# Altium PCB dashcam_cpu_v2.0.PcbDoc (part 2 of 4)
Units mil, origin at the board's own origin, x right, y up, seen from the top; angles counter-clockwise.
Board outline 2952.76 x 1476.38 mil, 4 copper layers (Top Layer, Internal L1, Internal L2, Bottom Layer), stack 60.718 mil thick; 574 components, 452 nets, 2535 pads, 0 vias.
Unrouted connection lines stored in the file: 1684.
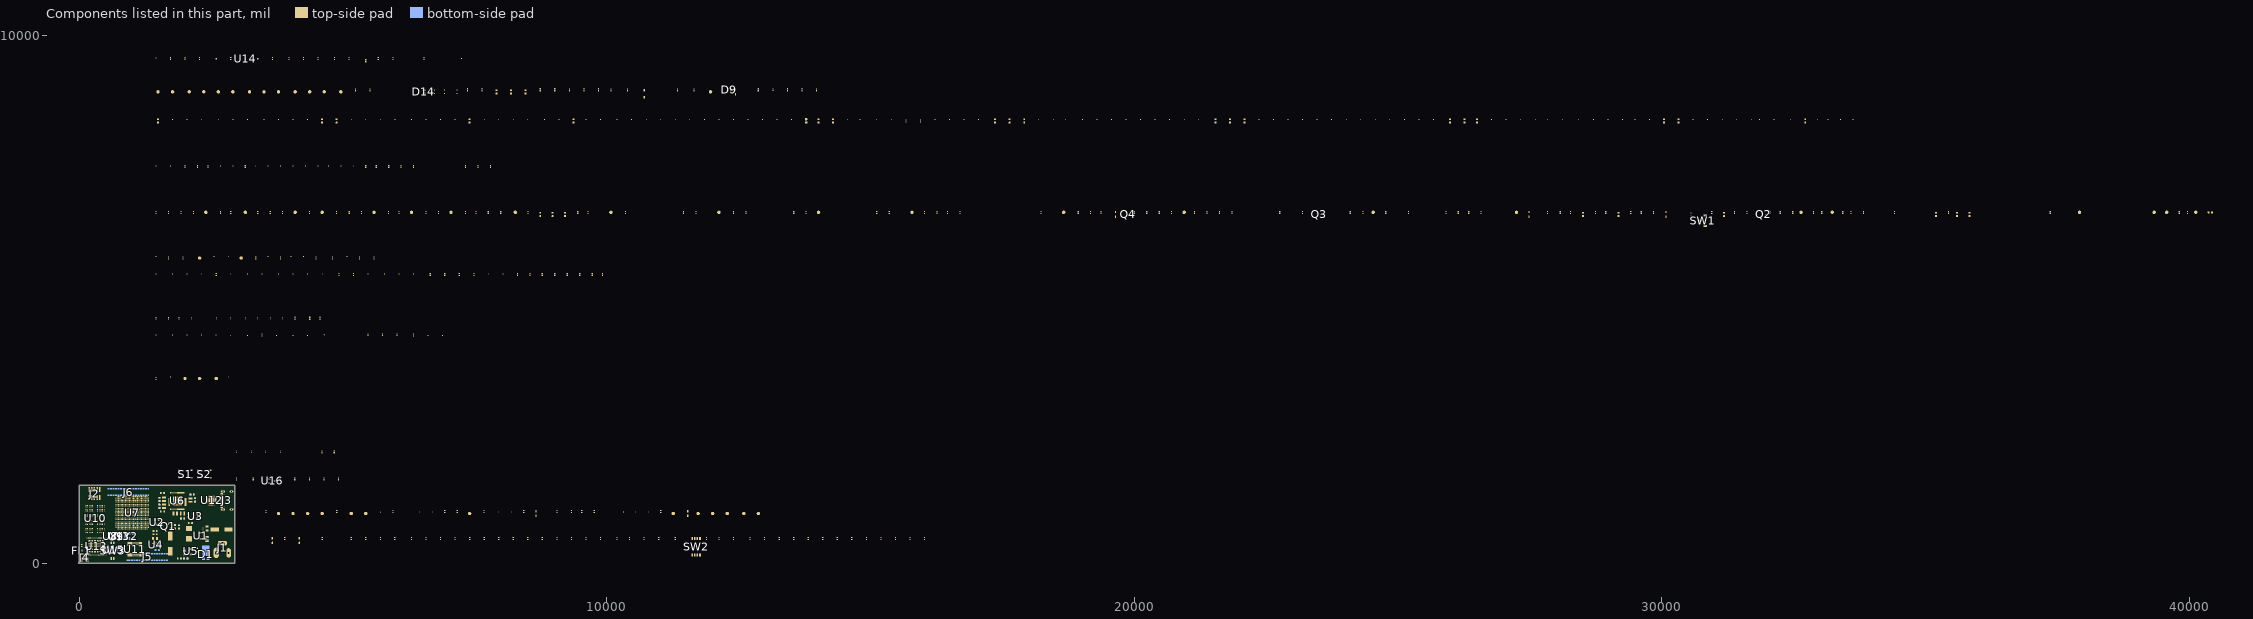
[diagram p2: the components of this part, seen from the top]

## Components (designator, comment, footprint, x,y, rotation, side; value= is the part's Value field where it differs from the comment) (continued)
TP31 "NO COMPONENT" TP_PAD_1.6MM_SMD_ROUND 11259.85,942.92 r90 top
TP32 "NO COMPONENT" TP_PAD_1.6MM_SMD_ROUND 7401.58,942.92 r90 top
TP33 "NO COMPONENT" TP_PAD_1.6MM_SMD_ROUND 5157.49,942.92 r90 top
TP34 "NO COMPONENT" TP_PAD_1.6MM_SMD_ROUND 5433.08,942.92 r90 top
TP35 "NO COMPONENT" TP_PAD_1.6MM_SMD_ROUND 3070.87,5785.44 r90 top
TP36 "NO COMPONENT" TP_PAD_1.6MM_SMD_ROUND 2283.47,5785.44 r90 top
TP37 "NO COMPONENT" TP_PAD_0.5MM_SMD_ROUND 4645.67,4328.75 r90 top
TP38 "NO COMPONENT" TP_PAD_0.5MM_SMD_ROUND 2598.43,4328.75 r90 top
TP39 "NO COMPONENT" TP_PAD_0.5MM_SMD_ROUND 1456.7,4328.75 r90 top
TP40 "NO COMPONENT" TP_PAD_0.5MM_SMD_ROUND 1771.66,4328.75 r90 top
TP41 "NO COMPONENT" TP_PAD_0.5MM_SMD_ROUND 2047.25,4328.75 r90 top
TP42 "NO COMPONENT" TP_PAD_1.6MM_SMD_ROUND 11968.51,8935.05 r90 top
TP43 "NO COMPONENT" TP_PAD_1.6MM_SMD_ROUND 4960.63,8935.05 r90 top
TP44 "NO COMPONENT" TP_PAD_1.6MM_SMD_ROUND 4645.67,8935.05 r90 top
TP45 "NO COMPONENT" TP_PAD_1.6MM_SMD_ROUND 4370.08,8935.05 r90 top
TP46 "NO COMPONENT" TP_PAD_1.6MM_SMD_ROUND 4094.49,8935.05 r90 top
TP47 "NO COMPONENT" TP_PAD_1.6MM_SMD_ROUND 3779.53,8935.05 r90 top
TP48 "NO COMPONENT" TP_PAD_1.6MM_SMD_ROUND 3503.94,8935.05 r90 top
TP49 "NO COMPONENT" TP_PAD_1.6MM_SMD_ROUND 3228.35,8935.05 r90 top
TP50 "NO COMPONENT" TP_PAD_1.6MM_SMD_ROUND 2913.39,8935.05 r90 top
TP51 "NO COMPONENT" TP_PAD_1.6MM_SMD_ROUND 2637.8,8935.05 r90 top
TP52 "NO COMPONENT" TP_PAD_1.6MM_SMD_ROUND 2362.21,8935.05 r90 top
TP53 "NO COMPONENT" TP_PAD_1.6MM_SMD_ROUND 2086.62,8935.05 r90 top
TP54 "NO COMPONENT" TP_PAD_1.6MM_SMD_ROUND 1771.66,8935.05 r90 top
TP55 "NO COMPONENT" TP_PAD_1.6MM_SMD_ROUND 1496.07,8935.05 r90 top
TP56 "NO COMPONENT" TP_PAD_0.5MM_SMD_ROUND 7244.1,9564.97 r90 top
TP57 "NO COMPONENT" TP_PAD_0.8MM_SMD_ROUND 3385.83,9564.97 r90 top
TP58 "NO COMPONENT" TP_PAD_0.8MM_SMD_ROUND 2598.43,9564.97 r90 top
TP59 "NO COMPONENT" TP_PAD_1.6MM_SMD_ROUND 4606.3,942.92 r90 top
TP60 "NO COMPONENT" TP_PAD_1.6MM_SMD_ROUND 4330.71,942.92 r90 top
TP61 "NO COMPONENT" TP_PAD_1.6MM_SMD_ROUND 4055.12,942.92 r90 top
TP62 "NO COMPONENT" TP_PAD_1.6MM_SMD_ROUND 3779.53,942.92 r90 top
U1 "MP8759GD-Z" IC_REG_MP8759GDZ 2310,520 r180 top
U2 "LDCL015MR" IC_REG_SOT95P280X145-5N 1471.5,779.53 r90 top
U3 "UM805RE" IC_SUP_VOL_UM805RE 2200,890 r0 top
U4 "MP2147GD-P" IC_REG_MP2147GDP 1450,352.6 r270 top
U5 "MP2147GD-P" IC_REG_MP2147GDP 2120,220 r0 top
U6 "MC34PF4210A1ES" IC_PMIC_QFN50P800X800X90-57N-D 1862.33,1180.63 r0 top
U7 "MIMX8MD6DVAJZAB" IC_MPU_BGA621C65P25X25_1700X1700X218 1003.94,958.66 r270 top
U8 "UM803RS" IC_SUP_VOL_UM805RS 590,510 r270 bottom
U9 "NTS0104GU12,115" IC_LEVEL_TRASLATOR_XQFN12_0P4_1P8X2P1 700,500 r180 top
U10 "MT53E1G32D2FW-046WT:A" IC_DRAM_BGA200_0P65X0P8_10P1X14P6 302.76,850.75 r0 top
U11 "SDINBDG4-32G-I1" IC_MEMORY_eMMC 1053.15,265.75 r270 top
U12 "CP2105-F01-GM" IC_USB_UART_QFN50P400X400X80-25N-D 2510,1190 r0 top
U13 "LBEE5QD1ZM-572" IC_WIFI_BLE_LBEE5QD1ZM572 325.59,320 r180 top
U14 "LP5907UVX-1.8/NOPB" IC_REG_LDO_BGA4C35P2X2_71X71X40 3149.61,9564.97 r90 top
U15 "SN74LVC2G125DCUT" IC_BUFF_SOP50P310X90-8N 650,260 r0 bottom
U16 "UM803RS" IC_SUP_VOL_UM805RS 3655.99,1561.11 r0 top
Y1 "ASH7KW-32.768kHz-L-T" CRYSTAL_32.768KHZ_ASH7KW32768kHzLT 720,510 r270 bottom
Y2 "ECS-250-18-33-JTM-TR" CRYSTAL_ECS-250-18-33-JTM-TR 988.19,514.72 r90 bottom
Y3 "XC32M4-27.000-F18NLDTK" CRYSTAL_ECS-250-18-33-JTM-TR 840,514.43 r270 bottom

## Footprints (in the part's own frame and the unit in brackets; to place one, negate y for a bottom-side part, rotate by r counter-clockwise, add the part's x,y. Pads: shape width x height; smd on the part's side, far side on the other; paste and mask are expansions set on the pad)
ANTENNA_CHIP_ANTC1006X50N [mm] "1x0.55 mm"
  rrect20% 0.7x0.7 smd: 1(-0.55,0) 2(0.55,0)
  silkscreen extent -1.25,-0.7 0.55,0.7, body extent -0.5,-0.28 0.5,0.28, height 0.5
CAP_0201_CAPC0603X03N [mm] "Chip Capacitor, 2-Leads, Body 0.60x0.30mm, IPC Medium Density"
  rrect20% 0.305x0.305 smd mask+0.076: 1(-0.33,0) 2(0.33,0)
  body extent -0.3,-0.15 0.3,0.15, height 0.3
CAP_0402_CAPC1005X05N [mil] "Chip Capacitor, 2-Leads, Body 1.00x0.50mm, IPC Medium Density"
  rrect20% 20x20 smd: 1(-18.9,0) 2(18.9,0)
  silkscreen extent -4,-15 4,15, body extent -20,-10 20,10, height 20
CAP_0603_CAPC1608X08N [mm] "Chip Capacitor, 2-Leads, Body 1.60x0.80mm, IPC Medium Density"
  rrect20% 0.85x0.95 smd: 1(-0.8,0) 2(0.8,0)
  silkscreen extent -0.1,-0.61 0.1,0.61, body extent -0.8,-0.4 0.8,0.4, height 0.3
CAP_0805_CAPC2012X12N [mm] "Chip Capacitor, 2-Leads, Body 2.00x1.25mm, IPC Medium Density"
  rrect20% 1x1.5 smd: 1(-0.925,0) 2(0.925,0)
  silkscreen extent -0.08,-0.86 0.08,0.86, body extent -1,-0.63 1,0.63, height 0.78
CAP_POL_220uF_CAPAE830X1050N [mm]
  rrect20% 4.25x2.1 smd: 1(-3.65,0) 2(3.65,0)
  silkscreen extent -5.77,-4.15 4.15,4.15, body extent -5.25,-4.25 5.25,4.25, height 10.51
CAP_POLA_UD(8X10) [mm] "UD(8X10)"
  rrect20% 4x2.15 smd: 1(-3.35,0) 2(3.35,0)
  silkscreen extent -5.69,-4.15 4.15,4.15, body extent -4.44,-4.15 4.44,4.15, height 10.06
CONN_B2B_HIROSE_DF40C-100DS-0.4V(51) [mm] "0.016\" (0.40mm)"
  rrect20% 0.2x0.7 smd paste-1: 1(9.8,1.54) 2(9.8,-1.54) 3(9.4,1.54) 4(9.4,-1.54) 5(9,1.54) 6(9,-1.54) 7(8.6,1.54) 8(8.6,-1.54) 9(8.2,1.54) 10(8.2,-1.54) 11(7.8,1.54) 12(7.8,-1.54) 13(7.4,1.54) 14(7.4,-1.54) 15(7,1.54) 16(7,-1.54) 17(6.6,1.54) 18(6.6,-1.54) 19(6.2,1.54) 20(6.2,-1.54) 21(5.8,1.54) 22(5.8,-1.54) 23(5.4,1.54) 24(5.4,-1.54) 25(5,1.54) 26(5,-1.54) 27(4.6,1.54) 28(4.6,-1.54) 29(4.2,1.54) 30(4.2,-1.54) 31(3.8,1.54) 32(3.8,-1.54) 33(3.4,1.54) 34(3.4,-1.54) 35(3,1.54) 36(3,-1.54) 37(2.6,1.54) 38(2.6,-1.54) 39(2.2,1.54) 40(2.2,-1.54) 41(1.8,1.54) 42(1.8,-1.54) 43(1.4,1.54) 44(1.4,-1.54) 45(1,1.54) 46(1,-1.54) 47(0.6,1.54) 48(0.6,-1.54) 49(0.2,1.54) 50(0.2,-1.54) 51(-0.2,1.54) 52(-0.2,-1.54) 53(-0.6,1.54) 54(-0.6,-1.54) 55(-1,1.54) 56(-1,-1.54) 57(-1.4,1.54) 58(-1.4,-1.54) 59(-1.8,1.54) 60(-1.8,-1.54) 61(-2.2,1.54) 62(-2.2,-1.54) 63(-2.6,1.54) 64(-2.6,-1.54) 65(-3,1.54) 66(-3,-1.54) 67(-3.4,1.54) 68(-3.4,-1.54) 69(-3.8,1.54) 70(-3.8,-1.54) 71(-4.2,1.54) 72(-4.2,-1.54) 73(-4.6,1.54) 74(-4.6,-1.54) 75(-5,1.54) 76(-5,-1.54) 77(-5.4,1.54) 78(-5.4,-1.54) 79(-5.8,1.54) 80(-5.8,-1.54) 81(-6.2,1.54) 82(-6.2,-1.54) 83(-6.6,1.54) 84(-6.6,-1.54) 85(-7,1.54) 86(-7,-1.54) 87(-7.4,1.54) 88(-7.4,-1.54) 89(-7.8,1.54) 90(-7.8,-1.54) 91(-8.2,1.54) 92(-8.2,-1.54) 93(-8.6,1.54) 94(-8.6,-1.54) 95(-9,1.54) 96(-9,-1.54) 97(-9.4,1.54) 98(-9.4,-1.54) 99(-9.8,1.54) 100(-9.8,-1.54)
  silkscreen extent -11.3,-1.44 11.3,2.16, body extent -11.3,-1.69 11.3,1.69, height 1.6
CONN_CUI_PJ-202AH [mm] "Through Hole, Right Angle"
  oval 2.5x5 hole 1 square: 1(-6.5,0)
  oval 2.25x4.5 hole 1 square: 2(-0.5,0)
  oval 4.5x2.25 hole 1 square: 3(-3.5,4.7)
  silkscreen extent -8.13,-4.5 7.2,4.5, body extent -7.11,-4.52 7.29,4.88, height 11.01
CONN_HDR_MALE_10P_2R [mm] "Pitch    0.050\" (1.27mm)"
  rrect20% 0.76x2.4 smd: 1(-2.54,1.95) 2(-2.54,-1.95) 3(-1.27,1.95) 4(-1.27,-1.95) 5(0,1.95) 6(0,-1.95) 7(1.27,1.95) 8(1.27,-1.95) 9(2.54,1.95) 10(2.54,-1.95)
  silkscreen extent -3.8,-0.5 3.17,3.38, body extent -3.16,-2.81 3.19,2.69, height 4.5
CONN_UFL_U.FL-R-SMT-1(10) [mm]
  rrect20% 1.05x1.05 smd: 1(0,1.525)
  rrect20% 1.05x2.2 smd: 2(1.475,0) 3(-1.475,0)
  silkscreen extent -1.3,-1.3 1.3,1.3, body extent -1.5,-1.5 1.5,1.6, height 1.25
CONN_USB_C_16P [mm] "SMD 16P"
  rect 0.6x1.14 smd: A1_B12(-3.2,4.75) A4_B9(-2.4,4.75) B1_A12(3.2,4.75) B4_A9(2.4,4.75)
  rect 0.3x1.14 smd: A5(-1.25,4.75) A6(-0.25,4.75) A7(0.25,4.75) A8(1.25,4.75) B5(1.75,4.75) B6(0.75,4.75) B7(-0.75,4.75) B8(-1.75,4.75)
  oval 1.05x2.1 hole 0.6 slot 1.7 at 90 deg: SH1(-4.32,4.18) SH2(4.32,4.18)
  oval 0.9x1.8 hole 0.6 slot 1.4 at 90 deg: SH3(-4.32,0) SH4(4.32,0)
  round 0.65 hole 0.65 unplated: ""(-2.89,3.68) ""(2.89,3.68)
  silkscreen extent -4.47,-2.6 4.47,2.81, body extent -4.47,-2.57 4.47,5.03, height 3.23
CRYSTAL_32.768KHZ_ASH7KW32768kHzLT [mm] "0.126\" L x 0.059\" W (3.20mm x 1.50mm)"
  rrect20% 1x0.8 smd: 1(-1.35,-0.6) 2(1.35,-0.6) 3(1.35,0.6) 4(-1.35,0.6)
  silkscreen extent -2.16,-0.89 -2.16,-0.25, body extent -1.77,-0.92 1.77,0.92, height 1.1
CRYSTAL_ECS-250-18-33-JTM-TR [mm] "0.126\" L x 0.098\" W (3.20mm x 2.50mm)"
  rrect20% 1.3x1.1 smd: 1(-1.15,-0.9) 2(1.15,-0.9) 3(1.15,0.9) 4(-1.15,0.9)
  silkscreen extent -2.06,-1.32 0.27,1.25, body extent -1.6,-1.25 1.6,1.25, height 0.81
DIO_LED0606_LTST-C195 [mm] "Lite-On LED, body 1.60mm L x 1.50mm / 0606 (1616 Metric)"
  rrect20% 0.85x0.65 smd: 1(0.725,-0.425) 2(0.725,0.425) 3(-0.725,-0.425) 4(-0.725,0.425)
  silkscreen extent -1.4,-0.9 0.15,0.9, body extent -0.8,-0.8 0.8,0.8, height 0.7
DIO_SCKTY_PMEG060V100EPDAZ [mm] "SOT1289"
  rrect20% 1.6x1.34 smd: A(-1.065,2.537) A(1.065,2.537)
  rrect20% 3.8x4.96 smd: K(0,-1.213)
  silkscreen extent -2.15,-2.54 2.15,3.53, body extent -2.23,-3.49 2.22,3.01, height 0.8
DIO_SOD2512X113N [mm] "SOD-323"
  rrect20% 1.11x0.55 smd: 1(-1.14,0) 2(1.14,0)
  silkscreen extent -1.7,-0.62 0.83,0.62, body extent -1.25,-0.62 1.25,0.62, height 1.13
DIO_SOD3716X145N [mm]
  rrect20% 1.2x0.75 smd: 1(-1.7,0) 2(1.7,0)
  silkscreen extent -2.3,-0.77 1.35,0.77, body extent -1.85,-0.77 1.85,0.77, height 1.45
DIO_TVS_SODFL1608X65N [mm]
  rrect20% 0.53x0.42 smd: 1(-0.8,0) 2(0.8,0)
  silkscreen extent -1.06,-0.4 0.6,0.4, body extent -0.8,-0.42 0.8,0.41, height 0.61
DIO_ZENER_BZX585B3V3115 [mm] "SC-79, SOD-523"
  rrect20% 0.6x0.5 smd: 1(0,0.7) 2(0,-0.7)
  silkscreen extent -0.5,1.2 0.5,1.2, body extent -0.42,-0.8 0.41,0.8, height 0.61
IC_BUFF_SOP50P310X90-8N [mm] "8-VFSOP (0.091\", 2.30mm Width)"
  rrect20% 1.12x0.27 smd: 1(-1.405,0.75) 2(-1.405,0.25) 3(-1.405,-0.25) 4(-1.405,-0.75) 5(1.405,-0.75) 6(1.405,-0.25) 7(1.405,0.25) 8(1.405,0.75)
  silkscreen extent -2.21,-1.2 1.15,1.2, body extent -1.55,-1 1.55,1, height 0.9
IC_DRAM_BGA200_0P65X0P8_10P1X14P6 [mil] "200-TFBGA (10x14.5)"
  round 11.5 smd: A1(-173.23,268.7) A2(-141.73,268.7) A3(-110.24,268.7) A4(-78.74,268.7) A5(-47.24,268.7) A8(47.24,268.7) A9(78.74,268.7) A10(110.24,268.7) A11(141.73,268.7) A12(173.23,268.7) AA1(-173.23,-243.11) AA2(-141.73,-243.11) AA3(-110.24,-243.11) AA4(-78.74,-243.11) AA5(-47.24,-243.11) AA8(47.24,-243.11) AA9(78.74,-243.11) AA10(110.24,-243.11) AA11(141.73,-243.11) AA12(173.23,-243.11) AB1(-173.23,-268.7) AB2(-141.73,-268.7) AB3(-110.24,-268.7) AB4(-78.74,-268.7) AB5(-47.24,-268.7) AB8(47.24,-268.7) AB9(78.74,-268.7) AB10(110.24,-268.7) AB11(141.73,-268.7) AB12(173.23,-268.7) B1(-173.23,243.11) B2(-141.73,243.11) B3(-110.24,243.11) B4(-78.74,243.11) B5(-47.24,243.11) B8(47.24,243.11) B9(78.74,243.11) B10(110.24,243.11) B11(141.73,243.11) B12(173.23,243.11) C1(-173.23,217.52) C2(-141.73,217.52) C3(-110.24,217.52) C4(-78.74,217.52) C5(-47.24,217.52) C8(47.24,217.52) C9(78.74,217.52) C10(110.24,217.52) C11(141.73,217.52) C12(173.23,217.52) D1(-173.23,191.93) D2(-141.73,191.93) D3(-110.24,191.93) D4(-78.74,191.93) D5(-47.24,191.93) D8(47.24,191.93) D9(78.74,191.93) D10(110.24,191.93) D11(141.73,191.93) D12(173.23,191.93) E1(-173.23,166.34) E2(-141.73,166.34) E3(-110.24,166.34) E4(-78.74,166.34) E5(-47.24,166.34) E8(47.24,166.34) E9(78.74,166.34) E10(110.24,166.34) E11(141.73,166.34) E12(173.23,166.34) F1(-173.23,140.75) F2(-141.73,140.75) F3(-110.24,140.75) F4(-78.74,140.75) F5(-47.24,140.75) F8(47.24,140.75) F9(78.74,140.75) F10(110.24,140.75) F11(141.73,140.75) F12(173.23,140.75) G1(-173.23,115.16) G2(-141.73,115.16) G3(-110.24,115.16) G4(-78.74,115.16) G5(-47.24,115.16) G8(47.24,115.16) G9(78.74,115.16) G10(110.24,115.16) G11(141.73,115.16) G12(173.23,115.16) H1(-173.23,89.57) H2(-141.73,89.57) H3(-110.24,89.57) H4(-78.74,89.57) H5(-47.24,89.57) H8(47.24,89.57) H9(78.74,89.57) H10(110.24,89.57) H11(141.73,89.57) H12(173.23,89.57) J1(-173.23,63.98) J2(-141.73,63.98) J3(-110.24,63.98) J4(-78.74,63.98) J5(-47.24,63.98) J8(47.24,63.98) J9(78.74,63.98) J10(110.24,63.98) J11(141.73,63.98) J12(173.23,63.98) K1(-173.23,38.39) K2(-141.73,38.39) K3(-110.24,38.39) K4(-78.74,38.39) K5(-47.24,38.39) K8(47.24,38.39) K9(78.74,38.39) K10(110.24,38.39) K11(141.73,38.39) K12(173.23,38.39) N1(-173.23,-38.39) N2(-141.73,-38.39) N3(-110.24,-38.39) N4(-78.74,-38.39) N5(-47.24,-38.39) N8(47.24,-38.39) N9(78.74,-38.39) N10(110.24,-38.39) N11(141.73,-38.39) N12(173.23,-38.39) P1(-173.23,-63.98) P2(-141.73,-63.98) P3(-110.24,-63.98) P4(-78.74,-63.98) P5(-47.24,-63.98) P8(47.24,-63.98) P9(78.74,-63.98) P10(110.24,-63.98) P11(141.73,-63.98) P12(173.23,-63.98) R1(-173.23,-89.57) R2(-141.73,-89.57) R3(-110.24,-89.57) R4(-78.74,-89.57) R5(-47.24,-89.57) R8(47.24,-89.57) R9(78.74,-89.57) R10(110.24,-89.57) R11(141.73,-89.57) R12(173.23,-89.57) T1(-173.23,-115.16) T2(-141.73,-115.16) T3(-110.24,-115.16) T4(-78.74,-115.16) T5(-47.24,-115.16) T8(47.24,-115.16) T9(78.74,-115.16) T10(110.24,-115.16) T11(141.73,-115.16) T12(173.23,-115.16) U1(-173.23,-140.75) U2(-141.73,-140.75) U3(-110.24,-140.75) U4(-78.74,-140.75) U5(-47.24,-140.75) U8(47.24,-140.75) U9(78.74,-140.75) U10(110.24,-140.75) U11(141.73,-140.75) U12(173.23,-140.75) V1(-173.23,-166.34) V2(-141.73,-166.34) V3(-110.24,-166.34) V4(-78.74,-166.34) V5(-47.24,-166.34) V8(47.24,-166.34) V9(78.74,-166.34) V10(110.24,-166.34) V11(141.73,-166.34) V12(173.23,-166.34) W1(-173.23,-191.93) W2(-141.73,-191.93) W3(-110.24,-191.93) W4(-78.74,-191.93) W5(-47.24,-191.93) W8(47.24,-191.93) W9(78.74,-191.93) W10(110.24,-191.93) W11(141.73,-191.93) W12(173.23,-191.93) Y1(-173.23,-217.52) Y2(-141.73,-217.52) Y3(-110.24,-217.52) Y4(-78.74,-217.52) Y5(-47.24,-217.52) Y8(47.24,-217.52) Y9(78.74,-217.52) Y10(110.24,-217.52) Y11(141.73,-217.52) Y12(173.23,-217.52)
  silkscreen extent -244,-294 206,331, body extent -199,-292 199,282, height 37
IC_LEVEL_TRASLATOR_XQFN12_0P4_1P8X2P1 [mil] "XQFN12_0P4_1P8X2P1"
  rrect20% 26x12 smd: 1(-26.57,32.97)
  rrect20% 26x8 smd: 2(-26.57,15.26) 3(-26.57,-0.49) 4(-26.57,-16.24) 5(-26.57,-31.99) 7(26.57,-31.99) 8(26.57,-16.24) 9(26.57,-0.49) 10(26.57,15.26) 11(26.57,31.01)
  rrect20% 8x26 smd: 6(0,-32.97) 12(0,31.99)
  silkscreen extent -54,-56 49,59, body extent -36,-41 36,41, height 20
IC_MEMORY_eMMC [mil] "FBGA153_0P5_11P5X13"
  round 10 smd: A1(-127.95,127.95) A2(-108.27,127.95) A3(-88.58,127.95) A4(-68.9,127.95) A5(-49.21,127.95) A6(-29.53,127.95) A7(-9.84,127.95) A8(9.84,127.95) A9(29.53,127.95) A10(49.21,127.95) A11(68.9,127.95) A12(88.58,127.95) A13(108.27,127.95) A14(127.95,127.95) B1(-127.95,108.27) B2(-108.27,108.27) B3(-88.58,108.27) B4(-68.9,108.27) B5(-49.21,108.27) B6(-29.53,108.27) B7(-9.84,108.27) B8(9.84,108.27) B9(29.53,108.27) B10(49.21,108.27) B11(68.9,108.27) B12(88.58,108.27) B13(108.27,108.27) B14(127.95,108.27) C1(-127.95,88.58) C2(-108.27,88.58) C3(-88.58,88.58) C4(-68.9,88.58) C5(-49.21,88.58) C6(-29.53,88.58) C7(-9.84,88.58) C8(9.84,88.58) C9(29.53,88.58) C10(49.21,88.58) C11(68.9,88.58) C12(88.58,88.58) C13(108.27,88.58) C14(127.95,88.58) D1(-127.95,68.9) D2(-108.27,68.9) D3(-88.58,68.9) D4(-68.9,68.9) D12(88.58,68.9) D13(108.27,68.9) D14(127.95,68.9) E1(-127.95,49.21) E2(-108.27,49.21) E3(-88.58,49.21) E5(-49.21,49.21) E6(-29.53,49.21) E7(-9.84,49.21) E8(9.84,49.21) E9(29.53,49.21) E10(49.21,49.21) E12(88.58,49.21) E13(108.27,49.21) E14(127.95,49.21) F1(-127.95,29.53) F2(-108.27,29.53) F3(-88.58,29.53) F5(-49.21,29.53) F10(49.21,29.53) F12(88.58,29.53) F13(108.27,29.53) F14(127.95,29.53) G1(-127.95,9.84) G2(-108.27,9.84) G3(-88.58,9.84) G5(-49.21,9.84) G10(49.21,9.84) G12(88.58,9.84) G13(108.27,9.84) G14(127.95,9.84) H1(-127.95,-9.84) H2(-108.27,-9.84) H3(-88.58,-9.84) H5(-49.21,-9.84) H10(49.21,-9.84) H12(88.58,-9.84) H13(108.27,-9.84) H14(127.95,-9.84) J1(-127.95,-29.53) J2(-108.27,-29.53) J3(-88.58,-29.53) J5(-49.21,-29.53) J10(49.21,-29.53) J12(88.58,-29.53) J13(108.27,-29.53) J14(127.95,-29.53) K1(-127.95,-49.21) K2(-108.27,-49.21) K3(-88.58,-49.21) K5(-49.21,-49.21) K6(-29.53,-49.21) K7(-9.84,-49.21) K8(9.84,-49.21) K9(29.53,-49.21) K10(49.21,-49.21) K12(88.58,-49.21) K13(108.27,-49.21) K14(127.95,-49.21) L1(-127.95,-68.9) L2(-108.27,-68.9) L3(-88.58,-68.9) L12(88.58,-68.9) L13(108.27,-68.9) L14(127.95,-68.9) M1(-127.95,-88.58) M2(-108.27,-88.58) M3(-88.58,-88.58) M4(-68.9,-88.58) M5(-49.21,-88.58) M6(-29.53,-88.58) M7(-9.84,-88.58) M8(9.84,-88.58) M9(29.53,-88.58) M10(49.21,-88.58) M11(68.9,-88.58) M12(88.58,-88.58) M13(108.27,-88.58) M14(127.95,-88.58) N1(-127.95,-108.27) N2(-108.27,-108.27) N3(-88.58,-108.27) N4(-68.9,-108.27) N5(-49.21,-108.27) N6(-29.53,-108.27) N7(-9.84,-108.27) N8(9.84,-108.27) N9(29.53,-108.27) N10(49.21,-108.27) N11(68.9,-108.27) N12(88.58,-108.27) N13(108.27,-108.27) N14(127.95,-108.27) P1(-127.95,-127.95) P2(-108.27,-127.95) P3(-88.58,-127.95) P4(-68.9,-127.95) P5(-49.21,-127.95) P6(-29.53,-127.95) P7(-9.84,-127.95) P8(9.84,-127.95) P9(29.53,-127.95) P10(49.21,-127.95) P11(68.9,-127.95) P12(88.58,-127.95) P13(108.27,-127.95) P14(127.95,-127.95)
  silkscreen extent -267,-265 235,295, body extent -226,-256 226,256, height 29
IC_MPU_BGA621C65P25X25_1700X1700X218 [mm] "621-FCPBGA (17x17)"
  round 0.394 smd: A2(-7.15,7.8) A3(-6.5,7.8) A4(-5.85,7.8) A5(-5.2,7.8) A6(-4.55,7.8) A7(-3.9,7.8) A8(-3.25,7.8) A9(-2.6,7.8) A10(-1.95,7.8) A11(-1.3,7.8) A12(-0.65,7.8) A13(0,7.8) A14(0.65,7.8) A15(1.3,7.8) A16(1.95,7.8) A17(2.6,7.8) A18(3.25,7.8) A19(3.9,7.8) A20(4.55,7.8) A21(5.2,7.8) A22(5.85,7.8) A23(6.5,7.8) A24(7.15,7.8) AA1(-7.8,-5.2) AA2(-7.15,-5.2) AA3(-6.5,-5.2) AA4(-5.85,-5.2) AA5(-5.2,-5.2) AA6(-4.55,-5.2) AA7(-3.9,-5.2) AA8(-3.25,-5.2) AA9(-2.6,-5.2) AA10(-1.95,-5.2) AA11(-1.3,-5.2) AA12(-0.65,-5.2) AA13(0,-5.2) AA14(0.65,-5.2) AA15(1.3,-5.2) AA16(1.95,-5.2) AA17(2.6,-5.2) AA18(3.25,-5.2) AA19(3.9,-5.2) AA20(4.55,-5.2) AA21(5.2,-5.2) AA22(5.85,-5.2) AA23(6.5,-5.2) AA24(7.15,-5.2) AA25(7.8,-5.2) AB1(-7.8,-5.85) AB2(-7.15,-5.85) AB3(-6.5,-5.85) AB4(-5.85,-5.85) AB5(-5.2,-5.85) AB6(-4.55,-5.85) AB7(-3.9,-5.85) AB8(-3.25,-5.85) AB9(-2.6,-5.85) AB10(-1.95,-5.85) AB11(-1.3,-5.85) AB12(-0.65,-5.85) AB13(0,-5.85) AB14(0.65,-5.85) AB15(1.3,-5.85) AB16(1.95,-5.85) AB17(2.6,-5.85) AB18(3.25,-5.85) AB19(3.9,-5.85) AB20(4.55,-5.85) AB21(5.2,-5.85) AB22(5.85,-5.85) AB23(6.5,-5.85) AB24(7.15,-5.85) AB25(7.8,-5.85) AC1(-7.8,-6.5) AC2(-7.15,-6.5) AC3(-6.5,-6.5) AC4(-5.85,-6.5) AC5(-5.2,-6.5) AC6(-4.55,-6.5) AC7(-3.9,-6.5) AC8(-3.25,-6.5) AC9(-2.6,-6.5) AC10(-1.95,-6.5) AC11(-1.3,-6.5) AC12(-0.65,-6.5) AC13(0,-6.5) AC14(0.65,-6.5) AC15(1.3,-6.5) AC16(1.95,-6.5) AC17(2.6,-6.5) AC18(3.25,-6.5) AC19(3.9,-6.5) AC20(4.55,-6.5) AC21(5.2,-6.5) AC22(5.85,-6.5) AC23(6.5,-6.5) AC24(7.15,-6.5) AC25(7.8,-6.5) AD1(-7.8,-7.15) AD2(-7.15,-7.15) AD3(-6.5,-7.15) AD4(-5.85,-7.15) AD5(-5.2,-7.15) AD6(-4.55,-7.15) AD7(-3.9,-7.15) AD8(-3.25,-7.15) AD9(-2.6,-7.15) AD10(-1.95,-7.15) AD11(-1.3,-7.15) AD12(-0.65,-7.15) AD13(0,-7.15) AD14(0.65,-7.15) AD15(1.3,-7.15) AD16(1.95,-7.15) AD17(2.6,-7.15) AD18(3.25,-7.15) AD19(3.9,-7.15) AD20(4.55,-7.15) AD21(5.2,-7.15) AD22(5.85,-7.15) AD23(6.5,-7.15) AD24(7.15,-7.15) AD25(7.8,-7.15) AE2(-7.15,-7.8) AE3(-6.5,-7.8) AE4(-5.85,-7.8) AE5(-5.2,-7.8) AE6(-4.55,-7.8) AE7(-3.9,-7.8) AE8(-3.25,-7.8) AE9(-2.6,-7.8) AE10(-1.95,-7.8) AE11(-1.3,-7.8) AE12(-0.65,-7.8) AE13(0,-7.8) AE14(0.65,-7.8) AE15(1.3,-7.8) AE16(1.95,-7.8) AE17(2.6,-7.8) AE18(3.25,-7.8) AE19(3.9,-7.8) AE20(4.55,-7.8) AE21(5.2,-7.8) AE22(5.85,-7.8) AE23(6.5,-7.8) AE24(7.15,-7.8) B1(-7.8,7.15) B2(-7.15,7.15) B3(-6.5,7.15) B4(-5.85,7.15) B5(-5.2,7.15) B6(-4.55,7.15) B7(-3.9,7.15) B8(-3.25,7.15) B9(-2.6,7.15) B10(-1.95,7.15) B11(-1.3,7.15) B12(-0.65,7.15) B13(0,7.15) B14(0.65,7.15) B15(1.3,7.15) B16(1.95,7.15) B17(2.6,7.15) B18(3.25,7.15) B19(3.9,7.15) B20(4.55,7.15) B21(5.2,7.15) B22(5.85,7.15) B23(6.5,7.15) B24(7.15,7.15) B25(7.8,7.15) C1(-7.8,6.5) C2(-7.15,6.5) C3(-6.5,6.5) C4(-5.85,6.5) C5(-5.2,6.5) C6(-4.55,6.5) C7(-3.9,6.5) C8(-3.25,6.5) C9(-2.6,6.5) C10(-1.95,6.5) C11(-1.3,6.5) C12(-0.65,6.5) C13(0,6.5) C14(0.65,6.5) C15(1.3,6.5) C16(1.95,6.5) C17(2.6,6.5) C18(3.25,6.5) C19(3.9,6.5) C20(4.55,6.5) C21(5.2,6.5) C22(5.85,6.5) C23(6.5,6.5) C24(7.15,6.5) C25(7.8,6.5) D1(-7.8,5.85) D2(-7.15,5.85) D3(-6.5,5.85) D4(-5.85,5.85) D5(-5.2,5.85) D6(-4.55,5.85) D7(-3.9,5.85) D8(-3.25,5.85) D9(-2.6,5.85) D10(-1.95,5.85) D11(-1.3,5.85) D12(-0.65,5.85) D13(0,5.85) D14(0.65,5.85) D15(1.3,5.85) D16(1.95,5.85) D17(2.6,5.85) D18(3.25,5.85) D19(3.9,5.85) D20(4.55,5.85) D21(5.2,5.85) D22(5.85,5.85) D23(6.5,5.85) D24(7.15,5.85) D25(7.8,5.85) E1(-7.8,5.2) E2(-7.15,5.2) E3(-6.5,5.2) E4(-5.85,5.2) E5(-5.2,5.2) E6(-4.55,5.2) E7(-3.9,5.2) E8(-3.25,5.2) E9(-2.6,5.2) E10(-1.95,5.2) E11(-1.3,5.2) E12(-0.65,5.2) E13(0,5.2) E14(0.65,5.2) E15(1.3,5.2) E16(1.95,5.2) E17(2.6,5.2) E18(3.25,5.2) E19(3.9,5.2) E20(4.55,5.2) E21(5.2,5.2) E22(5.85,5.2) E23(6.5,5.2) E24(7.15,5.2) E25(7.8,5.2) F1(-7.8,4.55) F2(-7.15,4.55) F3(-6.5,4.55) F4(-5.85,4.55) F5(-5.2,4.55) F6(-4.55,4.55) F7(-3.9,4.55) F8(-3.25,4.55) F9(-2.6,4.55) F10(-1.95,4.55) F11(-1.3,4.55) F12(-0.65,4.55) F13(0,4.55) F14(0.65,4.55) F15(1.3,4.55) F16(1.95,4.55) F17(2.6,4.55) F18(3.25,4.55) F19(3.9,4.55) F20(4.55,4.55) F21(5.2,4.55) F22(5.85,4.55) F23(6.5,4.55) F24(7.15,4.55) F25(7.8,4.55) G1(-7.8,3.9) G2(-7.15,3.9) G3(-6.5,3.9) G4(-5.85,3.9) G5(-5.2,3.9) G6(-4.55,3.9) G7(-3.9,3.9) G8(-3.25,3.9) G9(-2.6,3.9) G10(-1.95,3.9) G11(-1.3,3.9) G12(-0.65,3.9) G13(0,3.9) G14(0.65,3.9) G15(1.3,3.9) G16(1.95,3.9) G17(2.6,3.9) G18(3.25,3.9) G19(3.9,3.9) G20(4.55,3.9) G21(5.2,3.9) G22(5.85,3.9) G23(6.5,3.9) G24(7.15,3.9) G25(7.8,3.9) H1(-7.8,3.25) H2(-7.15,3.25) H3(-6.5,3.25) H4(-5.85,3.25) H5(-5.2,3.25) H6(-4.55,3.25) H7(-3.9,3.25) H8(-3.25,3.25) H9(-2.6,3.25) H10(-1.95,3.25) H11(-1.3,3.25) H12(-0.65,3.25) H13(0,3.25) H14(0.65,3.25) H15(1.3,3.25) H16(1.95,3.25) H17(2.6,3.25) H18(3.25,3.25) H19(3.9,3.25) H20(4.55,3.25) H21(5.2,3.25) H22(5.85,3.25) H23(6.5,3.25) H24(7.15,3.25) H25(7.8,3.25) J1(-7.8,2.6) J2(-7.15,2.6) J3(-6.5,2.6) J4(-5.85,2.6) J5(-5.2,2.6) J6(-4.55,2.6) J7(-3.9,2.6) J8(-3.25,2.6) J9(-2.6,2.6) J10(-1.95,2.6) J11(-1.3,2.6) J12(-0.65,2.6) J13(0,2.6) J14(0.65,2.6) J15(1.3,2.6) J16(1.95,2.6) J17(2.6,2.6) J18(3.25,2.6) J19(3.9,2.6) J20(4.55,2.6) J21(5.2,2.6) J22(5.85,2.6) J23(6.5,2.6) J24(7.15,2.6) J25(7.8,2.6) K1(-7.8,1.95) K2(-7.15,1.95) K3(-6.5,1.95) K4(-5.85,1.95) K5(-5.2,1.95) K6(-4.55,1.95) K7(-3.9,1.95) K8(-3.25,1.95) K9(-2.6,1.95) K10(-1.95,1.95) K11(-1.3,1.95) K12(-0.65,1.95) K13(0,1.95) K14(0.65,1.95) K15(1.3,1.95) K16(1.95,1.95) K17(2.6,1.95) K18(3.25,1.95) K19(3.9,1.95) K20(4.55,1.95) K21(5.2,1.95) K22(5.85,1.95) K23(6.5,1.95) K24(7.15,1.95) K25(7.8,1.95) L1(-7.8,1.3) L2(-7.15,1.3) L3(-6.5,1.3) L4(-5.85,1.3) L5(-5.2,1.3) L6(-4.55,1.3) L7(-3.9,1.3) L8(-3.25,1.3) L9(-2.6,1.3) L10(-1.95,1.3) L11(-1.3,1.3) L12(-0.65,1.3) L13(0,1.3) L14(0.65,1.3) L15(1.3,1.3) L16(1.95,1.3) L17(2.6,1.3) L18(3.25,1.3) L19(3.9,1.3) L20(4.55,1.3) L21(5.2,1.3) L22(5.85,1.3) L23(6.5,1.3) L24(7.15,1.3) L25(7.8,1.3) M1(-7.8,0.65) M2(-7.15,0.65) M3(-6.5,0.65) M4(-5.85,0.65) M5(-5.2,0.65) M6(-4.55,0.65) M7(-3.9,0.65) M8(-3.25,0.65) M9(-2.6,0.65) M10(-1.95,0.65) M11(-1.3,0.65) M12(-0.65,0.65) M13(0,0.65) M14(0.65,0.65) M15(1.3,0.65) M16(1.95,0.65) M17(2.6,0.65) M18(3.25,0.65) M19(3.9,0.65) M20(4.55,0.65) M21(5.2,0.65) M22(5.85,0.65) M23(6.5,0.65) M24(7.15,0.65) M25(7.8,0.65) N1(-7.8,0) N2(-7.15,0) N3(-6.5,0) N4(-5.85,0) N5(-5.2,0) N6(-4.55,0) N7(-3.9,0) N8(-3.25,0) N9(-2.6,0) N10(-1.95,0) N11(-1.3,0) N12(-0.65,0) N13(0,0) N14(0.65,0) N15(1.3,0) N16(1.95,0) N17(2.6,0) N18(3.25,0) N19(3.9,0) N20(4.55,0) N21(5.2,0) N22(5.85,0) N23(6.5,0) N24(7.15,0) N25(7.8,0) P1(-7.8,-0.65) P2(-7.15,-0.65) P3(-6.5,-0.65) P4(-5.85,-0.65) P5(-5.2,-0.65) P6(-4.55,-0.65) P7(-3.9,-0.65) P8(-3.25,-0.65) P9(-2.6,-0.65) P10(-1.95,-0.65) P11(-1.3,-0.65) P12(-0.65,-0.65) P13(0,-0.65) P14(0.65,-0.65) P15(1.3,-0.65) P16(1.95,-0.65) P17(2.6,-0.65) P18(3.25,-0.65) P19(3.9,-0.65) P20(4.55,-0.65) P21(5.2,-0.65) P22(5.85,-0.65) P23(6.5,-0.65) P24(7.15,-0.65) P25(7.8,-0.65) R1(-7.8,-1.3) R2(-7.15,-1.3) R3(-6.5,-1.3) R4(-5.85,-1.3) R5(-5.2,-1.3) R6(-4.55,-1.3) R7(-3.9,-1.3) R8(-3.25,-1.3) R9(-2.6,-1.3) R10(-1.95,-1.3) R11(-1.3,-1.3) R12(-0.65,-1.3) R13(0,-1.3) R14(0.65,-1.3) R15(1.3,-1.3) R16(1.95,-1.3) R17(2.6,-1.3) R18(3.25,-1.3) R19(3.9,-1.3) R20(4.55,-1.3) R21(5.2,-1.3) R22(5.85,-1.3) R23(6.5,-1.3) R24(7.15,-1.3) R25(7.8,-1.3) T1(-7.8,-1.95) T2(-7.15,-1.95) T3(-6.5,-1.95) T4(-5.85,-1.95) T5(-5.2,-1.95) T6(-4.55,-1.95) T7(-3.9,-1.95) T8(-3.25,-1.95) T9(-2.6,-1.95) T10(-1.95,-1.95) T11(-1.3,-1.95) T12(-0.65,-1.95) T13(0,-1.95) T14(0.65,-1.95) T15(1.3,-1.95) T16(1.95,-1.95) T17(2.6,-1.95) T18(3.25,-1.95) T19(3.9,-1.95) T20(4.55,-1.95) T21(5.2,-1.95) T22(5.85,-1.95) T23(6.5,-1.95) T24(7.15,-1.95) T25(7.8,-1.95) U1(-7.8,-2.6) U2(-7.15,-2.6) U3(-6.5,-2.6) U4(-5.85,-2.6) U5(-5.2,-2.6) U6(-4.55,-2.6) U7(-3.9,-2.6) U8(-3.25,-2.6) U9(-2.6,-2.6) U10(-1.95,-2.6) U11(-1.3,-2.6) U12(-0.65,-2.6) U13(0,-2.6) U14(0.65,-2.6) U15(1.3,-2.6) U16(1.95,-2.6) U17(2.6,-2.6) U18(3.25,-2.6) U19(3.9,-2.6) U20(4.55,-2.6) U21(5.2,-2.6) U22(5.85,-2.6) U23(6.5,-2.6) U24(7.15,-2.6) U25(7.8,-2.6) V1(-7.8,-3.25) V2(-7.15,-3.25) V3(-6.5,-3.25) V4(-5.85,-3.25) V5(-5.2,-3.25) V6(-4.55,-3.25) V7(-3.9,-3.25) V8(-3.25,-3.25) V9(-2.6,-3.25) V10(-1.95,-3.25) V11(-1.3,-3.25) V12(-0.65,-3.25) V13(0,-3.25) V14(0.65,-3.25) V15(1.3,-3.25) V16(1.95,-3.25) V17(2.6,-3.25) V18(3.25,-3.25) V19(3.9,-3.25) V20(4.55,-3.25) V21(5.2,-3.25) V22(5.85,-3.25) V23(6.5,-3.25) V24(7.15,-3.25) V25(7.8,-3.25) W1(-7.8,-3.9) W2(-7.15,-3.9) W3(-6.5,-3.9) W4(-5.85,-3.9) W5(-5.2,-3.9) W6(-4.55,-3.9) W7(-3.9,-3.9) W8(-3.25,-3.9) W9(-2.6,-3.9) W10(-1.95,-3.9) W11(-1.3,-3.9) W12(-0.65,-3.9) W13(0,-3.9) W14(0.65,-3.9) W15(1.3,-3.9) W16(1.95,-3.9) W17(2.6,-3.9) W18(3.25,-3.9) W19(3.9,-3.9) W20(4.55,-3.9) W21(5.2,-3.9) W22(5.85,-3.9) W23(6.5,-3.9) W24(7.15,-3.9) W25(7.8,-3.9) Y1(-7.8,-4.55) Y2(-7.15,-4.55) Y3(-6.5,-4.55) Y4(-5.85,-4.55) Y5(-5.2,-4.55) Y6(-4.55,-4.55) Y7(-3.9,-4.55) Y8(-3.25,-4.55) Y9(-2.6,-4.55) Y10(-1.95,-4.55) Y11(-1.3,-4.55) Y12(-0.65,-4.55) Y13(0,-4.55) Y14(0.65,-4.55) Y15(1.3,-4.55) Y16(1.95,-4.55) Y17(2.6,-4.55) Y18(3.25,-4.55) Y19(3.9,-4.55) Y20(4.55,-4.55) Y21(5.2,-4.55) Y22(5.85,-4.55) Y23(6.5,-4.55) Y24(7.15,-4.55) Y25(7.8,-4.55)